# KiCad board PCB.kicad_pcb (continued)
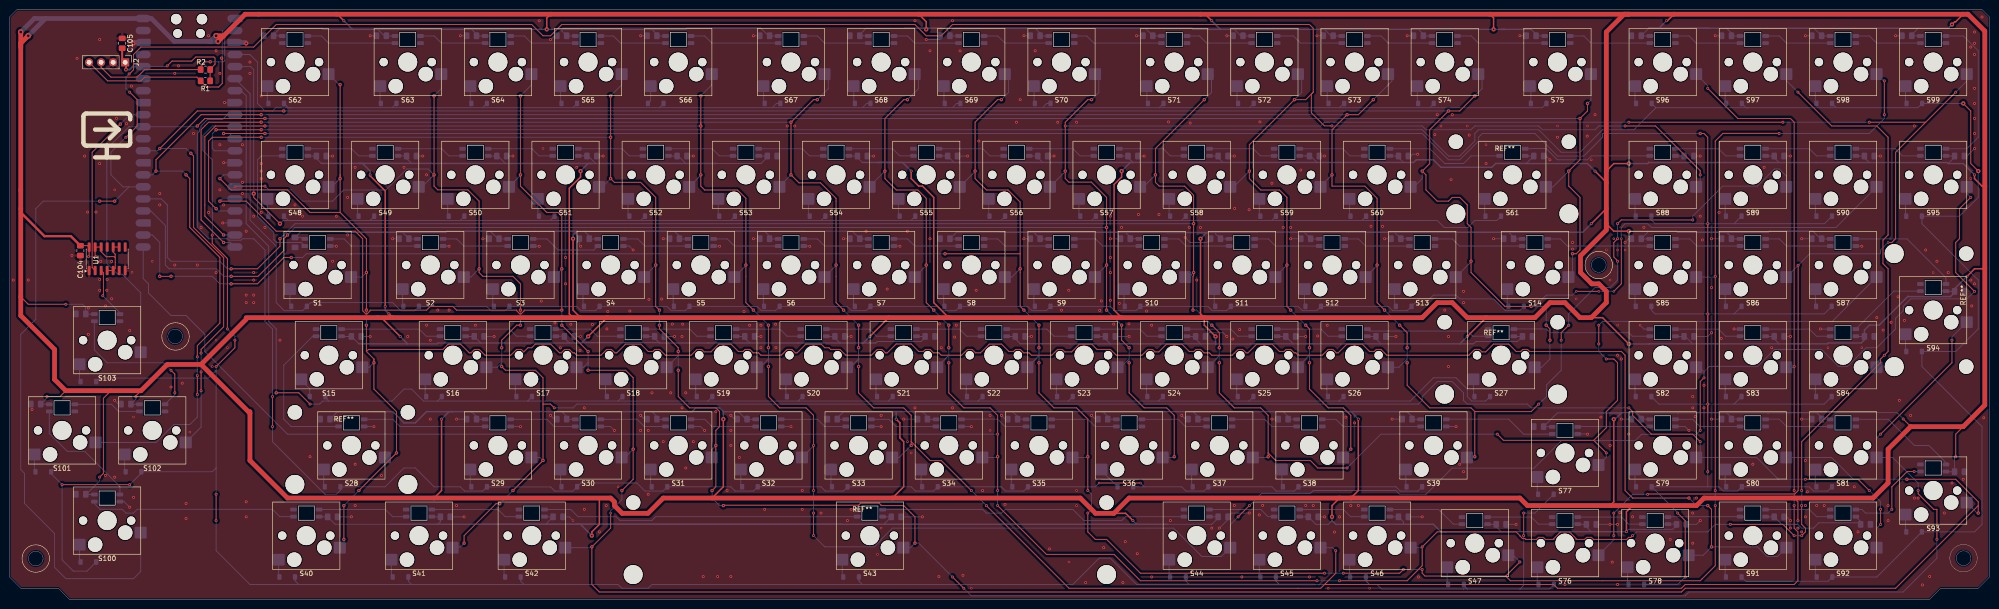
[diagram p0: board, top side]
## Routing (per net, layer and track width the routed paths; a pad name or vN(x,y) marks a point on that pad's centre or on a via; arc(x,y) is an arc through that point) (continued)
Net-(D145-DOUT): length 14.3
  Bottom w0.2: D145.2 238.81,57.1 240.31,55.6 D146.4
Net-(D146-DOUT): length 14.3
  Bottom w0.2: D146.2 258,57.1 259.5,55.6 D147.4
Net-(D147-DOUT): length 14.3
  Bottom w0.2: D147.2 277.05,57.1 278.55,55.6 D148.4
Net-(D148-DOUT): length 26.2
  Bottom w0.2: D149.4 309.1,55.6 308.01,56.69 287.25,56.69 D148.2
Net-(D149-DOUT): length 29.4
  Bottom w0.2: D149.2 317.84,57.15 324.62,57.15 325.42,56.35 342.08,56.35 342.83,55.6 D150.4
Net-(D150-DOUT): length 14.3
  Bottom w0.2: D150.2 361.04,57.1 362.54,55.6 D151.4
Net-(D151-DOUT): length 14.3
  Bottom w0.2: D151.2 380.23,57.1 381.73,55.6 D152.4
Net-(D152-DOUT): length 17
  Bottom w0.2: D152.2 398.05,65.13 D153.4
Net-(D153-DOUT): length 23.8
  Bottom w0.2: D153.2 409.07,67.94 400.86,76.15 D154.4
Net-(D154-DOUT): length 14.3
  Bottom w0.2: D154.2 375.38,74.65 373.88,76.15 D155.4
Net-(D155-DOUT): length 14.3
  Bottom w0.2: D156.4 354.97,76.15 356.47,74.65 D155.2
Net-(D156-DOUT): length 22.2
  Bottom w0.2: D156.2 329.08,74.65 327.58,76.15 D157.4
Net-(D157-DOUT): length 19
  Bottom w0.2: D158.4 304.82,76.15 306.32,74.65 D157.2
Net-(D158-DOUT): length 14.3
  Bottom w0.2: D159.4 284.98,76.15 286.48,74.65 D158.2
Net-(D159-DOUT): length 14.3
  Bottom w0.2: D160.4 265.93,76.15 267.43,74.65 D159.2
Net-(D160-DOUT): length 14.3
  Bottom w0.2: D161.4 247.02,76.15 248.52,74.65 D160.2
Net-(D161-DOUT): length 14.3
  Bottom w0.2: D161.2 230.92,74.65 229.42,76.15 D162.4
Net-(D162-DOUT): length 14.3
  Bottom w0.2: D163.4 208.79,76.15 210.29,74.65 D162.2
Net-(D163-DOUT): length 14.3
  Bottom w0.2: D164.4 189.74,76.15 191.24,74.65 D163.2
Net-(D164-DOUT): length 14.3
  Bottom w0.2: D165.4 170.69,76.15 172.19,74.65 181.44,74.65
Net-(D165-DOUT): length 14.3
  Bottom w0.2: D166.4 151.64,76.15 153.14,74.65 D165.2
Net-(D166-DOUT): length 14.3
  Bottom w0.2: D167.4 132.73,76.15 134.23,74.65 D166.2
Net-(D167-DOUT): length 15
  Bottom w0.2: D167.2 123.45,73.81 115.88,73.81 113.54,76.15 D168.4
Net-(D168-DOUT): length 14.3
  Bottom w0.2: D168.2 95.99,74.65 94.49,76.15 D169.4
Net-(D169-DOUT): length 19
  Bottom w0.2: 86.19,74.65 72.18,74.65 70.68,76.15 D170.4
Net-(D170-DOUT): length 31
  Bottom w0.2: D171.4 53.22,93.7 52.38,92.86 52.38,80.96 55.85,77.49 55.85,75.99 56.44,75.4 61.63,75.4 D170.2
Net-(D171-DOUT): length 14.3
  Bottom w0.2: D172.4 73.77,93.7 72.27,95.2 D171.2
Net-(D172-DOUT): length 14.3
  Bottom w0.2: D172.2 91.32,95.2 92.82,93.7 D173.4
Net-(D173-DOUT): length 14.3
  Bottom w0.2: D174.4 111.87,93.7 110.37,95.2 D173.2
Net-(D174-DOUT): length 14.3
  Bottom w0.2: D174.2 129.42,95.2 130.92,93.7 D175.4
Net-(D175-DOUT): length 14.3
  Bottom w0.2: D175.2 148.47,95.2 149.97,93.7 D176.4
Net-(D176-DOUT): length 14.3
  Bottom w0.2: D177.4 169.01,93.7 167.51,95.2 D176.2
Net-(D177-DOUT): length 14.3
  Bottom w0.2: D177.2 186.56,95.2 188.06,93.7 D178.4
Net-(D178-DOUT): length 14.3
  Bottom w0.2: D178.2 205.61,95.2 207.11,93.7 D179.4
Net-(D179-DOUT): length 14.3
  Bottom w0.2: D179.2 224.66,95.2 226.16,93.7 D180.4
Net-(D180-DOUT): length 14.3
  Bottom w0.2: D181.4 245.21,93.7 243.71,95.2 D180.2
Net-(D181-DOUT): length 14.3
  Bottom w0.2: D182.4 264.26,93.7 262.76,95.2 D181.2
Net-(D182-DOUT): length 14.3
  Bottom w0.2: D182.2 281.67,95.2 283.17,93.7 D183.4
Net-(D183-DOUT): length 25.2
  Bottom w0.2: 314.74,93.66 D184.4 308.79,93.7 307.16,92.07 303.19,92.07 300.06,95.2 D183.2
Net-(D184-DOUT): length 27.7
  Bottom w0.2: D185.4 334.19,93.7 333.35,92.86 327,92.86 324.62,95.24 321.45,95.24 321.4,95.2 D184.2
Net-(D185-DOUT): length 14.3
  Bottom w0.2: D186.4 362.54,93.7 361.04,95.2 D185.2
Net-(D186-DOUT): length 14.3
  Bottom w0.2: D186.2 380.23,95.2 381.73,93.7 D187.4
Net-(D187-DOUT): length 14.3
  Bottom w0.2: D187.2 398.34,95.2 399.84,93.7 D188.4
Net-(D188-DOUT): length 34.2
  Bottom w0.2: D189.4 412.77,119.01 415.9,115.88 415.9,97.63 413.47,95.2 D188.2
Net-(D189-DOUT): length 14.3
  Bottom w0.2: D190.4 392.93,119.01 394.43,117.51 D189.2
Net-(D190-DOUT): length 14.3
  Bottom w0.2: D191.4 373.88,119.01 375.38,117.51 D190.2
Net-(D191-DOUT): length 14.3
  Bottom w0.2: D191.2 356.33,117.51 354.83,119.01 D192.4
Net-(D192-DOUT): length 17.4
  Bottom w0.2: D192.2 334.1,117.51 332.6,119.01 D193.4
Net-(D193-DOUT): length 19
  Bottom w0.2: D194.4 308.79,119.01 310.29,117.51 D193.2
Net-(D194-DOUT): length 14.3
  Bottom w0.2: D194.2 291.24,117.51 289.74,119.01 D195.4
Net-(D195-DOUT): length 14.3
  Bottom w0.2: D195.2 272.73,117.51 271.23,119.01 D196.4
Net-(D196-DOUT): length 14.3
  Bottom w0.2: D197.4 251.39,119.01 252.89,117.51 D196.2
Net-(D197-DOUT): length 19
  Bottom w0.2: D198.4 227.58,119.01 229.08,117.51 D197.2
Net-(D198-DOUT): length 14.3
  Bottom w0.2: D198.2 210.29,117.51 208.79,119.01 D199.4
Net-(D199-DOUT): length 14.3
  Bottom w0.2: D200.4 189.74,119.01 191.24,117.51 D199.2
Net-(D200-DOUT): length 14.3
  Bottom w0.2: 181.44,117.51 172.19,117.51 170.69,119.01 D201.4
Net-(D201-DOUT): length 19
  Bottom w0.2: D201.2 148.38,117.51 146.88,119.01 D202.4
Net-(D202-DOUT): length 14.3
  Bottom w0.2: D202.2 129.07,117.51 127.57,119.01 D203.4
Net-(D203-DOUT): length 14.3
  Bottom w0.2: D203.2 110.28,117.51 108.78,119.01 D204.4
Net-(D204-DOUT): length 14.3
  Bottom w0.2: D205.4 89.73,119.01 91.23,117.51 D204.2
Net-(D205-DOUT): length 19
  Bottom w0.2: D205.2 67.42,117.51 65.92,119.01 D206.4

## Copper pours and planes (outline as drawn; the poured copper is in the pictures)
GND on Top, Bottom: -3.17,126.2 422.25,126.2 422.25,-2.38 -3.17,-2.38

## Text on the board
B.Silkscreen: V2 | designed by Hat Dealer | YD-RP2040 | YDR7 Keyboard
